# Altium PCB PC104-M7_6L.PcbDoc (part 3 of 3)
Units mm, origin at the board's own origin, x right, y up, seen from the top; angles counter-clockwise.
Board outline 90.17 x 95.89 mm, 6 copper layers (Top Layer, Layer 2 (GND), Layer 3 (PWR), Layer 4 (SIG), Layer 5 (GND), Bottom Layer), stack 1.538 mm thick; 122 components, 127 nets, 614 pads, 384 vias.
Unrouted connection lines stored in the file: 7.
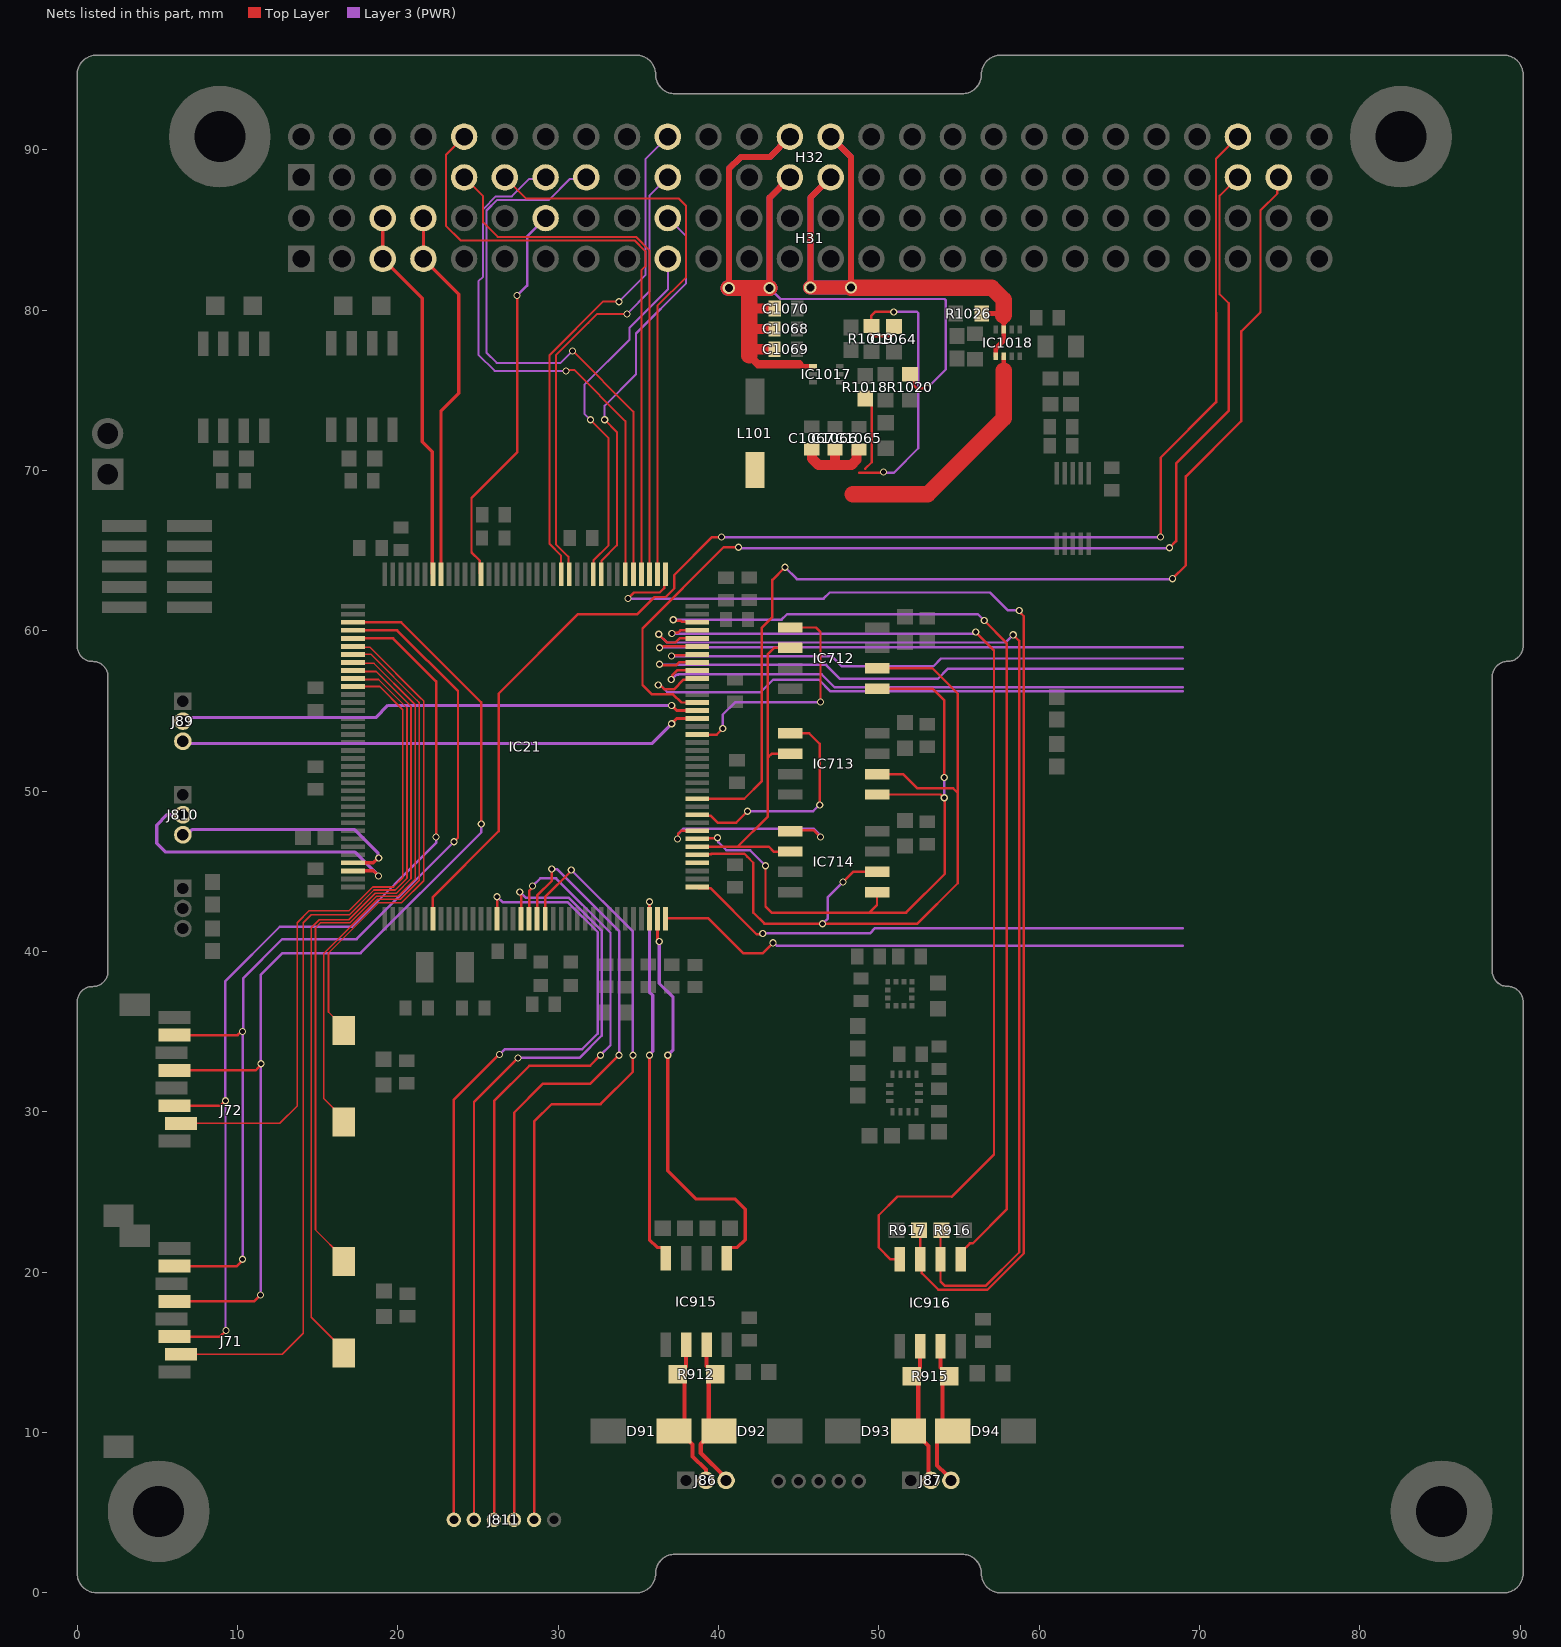
[diagram p6: the nets of this part, all layers, seen from the top]

## Via types
v1: diameter 0.45, hole 0.3, Top Layer to Bottom Layer, tented both sides, 349 vias
v2: diameter 0.762, hole 0.508, Top Layer to Bottom Layer, tented both sides, 35 vias

## Nets (pads, with @x,y where several pads share a name; then routed paths per layer and width w, separated by ;. In a path a pad name is that pad's centre, name@x,y a point inside that pad or via, vN(x,y) a via of type N, cw(c..) or ccw(c..) an arc to the next point about the centre after c; other vN are vias at no path point) (continued)
RS485_1_N: D91.2 IC915.6 J86.2 R912.2 | length 9.8
  Top Layer w0.254: D91.2@37.217,10.084 37.542,10.084 38.379,9.247 38.379,8.509 39.212,7.676 J86.2@39.212,7.01 ; D91.2@37.862,10.164 37.862,13.18 37.449,13.593 37.979,14.123 IC915.6@37.979,15.454
RS485_1_P: D92.2 IC915.7 J86.3 R912.1 | length 10.1
  Top Layer w0.254: IC915.7@39.257,15.446 39.257,14.134 39.799,13.593 39.386,13.18 D92.2@39.386,10.164 ; D92.2@40.031,10.084 39.706,10.084 38.887,9.265 38.887,8.719 40.462,7.145 J86.3@40.462,7.01
RS485_2_DE: IC21.73 IC916.3 R917.1 | length 79.1
  Top Layer w0.152: v1(34.341,62.001) 34.72,62.381 36.332,62.381 36.61,62.659 36.61,63.437 IC21.73@36.684,63.511 ; R917.1@52.506,22.606 52.568,22.544 IC916.3@52.568,20.796 52.67,20.694 52.67,19.937 53.709,18.898 56.769,18.898 59.03,21.158 59.03,60.905 58.878,61.056 58.75,61.184 v1(58.75,61.265)
  Layer 3 (PWR) w0.152: v1(34.341,62.001) 46.548,62.001 46.929,62.382 56.921,62.382 58.039,61.265 v1(58.75,61.265)
RS485_2_N: D93.2 IC916.6 J87.2 R915.2 | length 9.5
  Top Layer w0.254: D93.2@51.84,10.084 52.165,10.084 53.086,9.163 53.086,7.163 J87.2@53.238,7.01 ; D93.2@52.451,10.084 52.451,13.1 R915.2@52.038,13.513 52.568,14.043 IC916.6@52.568,15.374
RS485_2_P: D94.2 IC916.7 J87.3 R915.1 | length 9.7
  Top Layer w0.254: IC916.7@53.846,15.366 53.846,14.054 R915.1@54.388,13.513 53.975,13.1 D94.2@53.975,10.084 ; J87.3@54.488,7.01 54.169,7.329 54.169,7.396 53.625,7.94 53.625,9.436 54.273,10.084 D94.2@54.598,10.084
RS485_2_RE: IC21.68 IC916.2 R916.1 | length 73
  Top Layer w0.152: v1(36.264,59.774) 36.772,59.265 37.315,59.265 37.573,59.523 IC21.68@38.672,59.523 ; R916.1@53.9,22.606 53.838,22.544 IC916.2@53.838,20.796 53.838,19.415 54.114,19.14 56.656,19.14 58.75,21.234 58.75,59.36 v1(58.369,59.741)
  Layer 3 (PWR) w0.152: v1(36.264,59.774) 36.772,59.265 57.894,59.265 v1(58.369,59.741)
RTC_OUT_ALARM: H32.48 IC21.7 | length 88.5
  Top Layer w0.127: 71.03,79.846 71.03,89.451 H32.48@72.39,90.81
  Top Layer w0.152: IC21.7@22.184,42.035 22.184,43.393 26.289,47.498 26.289,56.083 31.242,61.036 34.94,61.036 36.007,62.103 36.703,62.103 37.236,62.636 37.236,63.475 39.599,65.837 v1(40.183,65.837) ; v1(67.564,65.837) 67.564,70.79 71.03,74.256 71.03,79.846
  Layer 3 (PWR) w0.152: v1(40.183,65.837) v1(67.564,65.837)
RTC_OUT_CALIB: H32.49 IC21.48 | length 70.6
  Top Layer w0.127: 73.787,79.857 73.787,86.203 74.839,87.255 74.839,88.179 H32.49@74.93,88.27
  Top Layer w0.152: IC21.48@38.672,49.523 41.598,49.523 42.697,50.622 42.697,60.198 43.358,60.858 43.358,63.17 v1(44.145,63.957) ; v1(68.301,63.246) 69.139,64.084 69.139,69.621 72.593,73.076 72.593,78.663 73.787,79.857
  Layer 3 (PWR) w0.152: v1(44.145,63.957) 44.882,63.221 v1@68.301,63.221
SD1_CD1: IC21.117 J71.CD1 | length 50.1
  Top Layer w0.102: J71.CD1@16.625,14.964 16.625,15.164 14.605,17.184 14.605,41.479 15.098,41.972 16.929,41.972 18.592,43.635 19.911,43.635 20.817,44.541 20.817,55.289 20.743,55.363 18.646,57.46 17.259,57.46 IC21.117@17.196,57.523
SD1_CD2: IC21.116 J71.CD2 | length 44.9
  Top Layer w0.102: J71.CD2@16.625,20.664 16.625,20.864 14.859,22.63 14.859,41.462 15.178,41.781 17.009,41.781 18.671,43.443 20.013,43.443 21.071,44.502 21.071,55.394 20.997,55.468 20.922,55.543 18.505,57.959 17.259,57.959 IC21.116@17.196,58.023
SD2_CD1: IC21.115 J72.CD1 | length 35.3
  Top Layer w0.102: J72.CD1@16.625,29.366 16.625,29.566 15.367,30.824 15.367,39.868 18.751,43.252 20.148,43.252 21.338,44.442 21.338,55.504 21.263,55.579 21.189,55.653 18.319,58.523 IC21.115@17.196,58.523
SD2_CD2: IC21.114 J72.CD2 | length 30.1
  Top Layer w0.102: J72.CD2@16.625,35.066 16.625,35.266 15.674,36.217 15.674,39.904 18.793,43.023 20.214,43.023 21.605,44.414 21.605,55.615 21.53,55.689 21.456,55.763 18.26,58.959 17.259,58.959 IC21.114@17.196,59.023
SEC_PWR: C1064.1 C1065.1 C1066.1 C1067.1 IC1018.6 L101.2 R1018.1 R1019.1 | length 44.4
  Top Layer w0.152: 48.768,69.85 50.241,69.85 v1(50.292,69.901) ; 49.149,70.104 49.548,70.503 49.548,74.085 R1018.1@49.149,74.484 ; C1064.1@50.926,78.973 50.927,78.971 50.927,78.486 50.81,78.369 49.594,78.369 49.505,78.458 49.505,78.982 R1019.1@49.526,79.003 49.526,79.65 49.759,79.883 v1(50.927,79.883)
  Top Layer w0.3: 57.782,76.222 IC1018.6@57.782,77.111
  Top Layer w0.635: C1067.1@45.817,71.309 45.817,70.744 46.236,70.325 47.264,70.325 ; C1066.1@47.253,71.309 47.253,70.337 47.264,70.325 ; C1065.1@48.752,71.309 48.657,71.309 48.599,71.252 48.599,70.654 48.271,70.325 47.264,70.325
  Top Layer w1.016: 48.358,68.504 53.035,68.504 57.782,73.251 57.782,76.222
  Layer 3 (PWR) w0.152: v1(50.292,69.901) 50.343,69.85 50.927,69.85 52.455,71.378 52.455,79.794 52.365,79.883 v1(50.927,79.883)
SPI1_CS1: IC21.56 IC712.1 | length 15.4
  Top Layer w0.152: IC21.56@38.672,53.523 39.883,53.523 v1(40.259,53.899) ; IC712.1@44.457,60.198 46.076,60.198 46.355,59.919 v1(46.355,55.55)
  Layer 3 (PWR) w0.152: v1(40.259,53.899) 40.259,54.762 41.046,55.55 v1(46.355,55.55)
SPI1_CS2: IC21.46 IC713.1 | length 14.2
  Top Layer w0.152: IC21.46@38.672,48.523 38.746,48.449 39.524,48.449 39.942,48.031 41.097,48.031 v1(41.808,48.743) ; IC713.1@44.457,53.594 45.654,53.594 46.304,52.943 v1(46.304,49.124)
  Layer 3 (PWR) w0.152: v1(41.808,48.743) 45.898,48.743 46.279,49.124 v1(46.304,49.124)
SPI1_CS3: IC21.44 IC714.1 | length 13.3
  Top Layer w0.152: v1(37.44,47.015) 37.468,47.044 37.468,47.323 37.668,47.523 IC21.44@38.672,47.523 ; IC714.1@44.457,47.498 44.508,47.549 45.949,47.549 v1(46.355,47.142)
  Layer 3 (PWR) w0.152: v1(37.44,47.015) 37.468,47.044 37.468,47.323 37.807,47.662 45.912,47.662 46.355,47.219 v1(46.355,47.142)
SPI1_CS4: IC21.40
SPI1_MISO: IC21.42 IC712.2 IC713.2 IC714.2 | length 21.8
  Top Layer w0.152: IC21.42@38.672,46.523 41.189,46.523 ; IC714.2@44.457,46.228 43.434,46.228 43.139,46.523 41.189,46.523 ; IC713.2@44.457,52.324 43.307,52.324 43.247,52.264 43.053,52.07 ; IC712.2@44.457,58.928 43.464,58.928 43.053,58.517 43.053,52.07 ; 41.189,46.523 43.053,48.387 43.053,52.07
SPI1_MOSI: IC21.43 IC712.5 IC713.5 IC714.5 | length 41.1
  Top Layer w0.152: IC21.43@38.672,47.023 38.706,47.057 39.895,47.057 v1(39.923,47.086) ; v1(42.926,45.339) 42.926,42.799 43.307,42.418 49.403,42.418 ; IC714.5@49.879,43.688 49.879,42.894 49.403,42.418 ; IC713.5@49.879,49.784 53.839,49.784 54.042,49.581 v1(54.077,49.581) 54.102,49.555 54.102,44.831 51.689,42.418 49.403,42.418 ; IC712.5@49.879,56.388 53.34,56.388 54.077,55.651 v1(54.077,50.851)
  Layer 3 (PWR) w0.152: v1(39.923,47.086) 39.98,47.029 39.98,46.812 40.488,46.304 41.961,46.304 v1(42.926,45.339) ; v1(54.077,49.581) v1(54.077,50.851)
SPI1_SCK: IC21.41 IC712.6 IC713.6 IC714.6 | length 49.5
  Top Layer w0.152: IC21.41@38.672,46.023 38.72,46.071 39.534,46.071 39.558,46.096 41.6,46.096 41.787,45.908 42.164,45.532 42.164,42.418 42.853,41.729 52.397,41.729 54.915,44.247 54.915,49.886 ; v1(47.752,44.323) 48.387,44.958 IC714.6@49.879,44.958 ; IC713.6@49.879,51.054 51.511,51.054 52.4,50.165 54.635,50.165 54.915,49.886 ; IC712.6@49.879,57.658 53.34,57.658 54.915,56.083 54.915,49.886
  Layer 3 (PWR) w0.152: v1(46.482,41.729) 46.812,42.059 46.812,43.383 v1(47.752,44.323)
SPI2_CS1: H32.13 IC21.78 | length 34.4
  Top Layer w0.127: v1(30.48,76.2) 30.542,76.262 30.859,76.262 30.862,76.265 30.989,76.265 34.184,73.071 IC21.78@34.184,63.511
  Layer 3 (PWR) w0.127: H32.13@29.21,88.27 29.119,88.179 28.194,88.179 27.107,87.091 26.415,87.091 26.414,87.09 26.107,87.09 25.31,86.293 25.31,82.079 25.019,81.788 25.019,77.216 26.035,76.2 v1(30.48,76.2)
SPI2_CS2: H32.15 IC21.77 | length 37.4
  Top Layer w0.127: v1(30.895,77.449) 34.684,73.66 IC21.77@34.684,63.511
  Layer 3 (PWR) w0.127: v1(30.895,77.449) 30.154,76.708 26.162,76.708 25.527,77.343 25.527,78.613 25.527,86.203 26.197,86.873 29.428,86.873 30.734,88.179 31.659,88.179 H32.15@31.75,88.27
SPI2_MISO: H32.9 IC21.75 | length 34.6
  Top Layer w0.127: H32.9@24.13,88.27 25.318,87.082 25.318,85.466 26.228,84.557 34.846,84.557 35.684,83.719 IC21.75@35.684,63.511
SPI2_MOSI: H32.10 IC21.76 | length 39.4
  Top Layer w0.127: H32.10@24.13,90.81 22.987,89.668 22.987,85.257 23.912,84.333 34.763,84.333 35.432,83.663 35.432,82.717 35.184,82.468 IC21.76@35.184,63.511
SPI2_SCK: H32.11 IC21.74 | length 35.8
  Top Layer w0.127: H32.11@26.67,88.27 27.977,86.963 37.497,86.963 37.972,86.488 37.972,82.041 36.184,80.253 IC21.74@36.184,63.511
SPI3_CS1: IC21.118 J71.P2 | length 56.1
  Top Layer w0.102: J71.P2@6.475,14.874 12.779,14.874 14.097,16.193 14.097,41.783 14.605,42.291 16.977,42.291 18.513,43.827 19.826,43.827 20.563,44.563 20.563,55.183 18.787,56.959 17.259,56.959 IC21.118@17.196,57.023
SPI3_CS2: IC21.119 J72.P2 | length 41.1
  Top Layer w0.102: J72.P2@6.475,29.276 12.639,29.276 13.716,30.353 13.716,41.783 14.478,42.545 16.96,42.545 18.433,44.018 19.726,44.018 20.309,44.601 20.309,55.078 18.864,56.523 IC21.119@17.196,56.523
SPI3_MISO: IC21.112 J71.P7 J72.P7 | length 60.6
  Top Layer w0.152: J71.P7@6.075,20.374 9.965,20.374 10.312,20.722 v1(10.312,20.803) ; J72.P7@6.075,34.776 10.007,34.776 10.232,35.001 v1(10.312,35.001) ; IC21.112@17.196,60.023 19.954,60.023 23.749,56.228 23.749,47.091 v1(23.495,46.837)
  Layer 3 (PWR) w0.152: v1(10.312,20.803) v1(10.312,35.001) 10.345,35.034 10.345,38.316 12.791,40.762 17.42,40.762 v1(23.495,46.837)
SPI3_MOSI: IC21.113 J71.P3 J72.P3 | length 61.5
  Top Layer w0.152: J71.P3@6.075,15.974 8.905,15.974 9.271,16.341 v1(9.271,16.358) ; J72.P3@6.075,30.376 8.911,30.376 9.218,30.683 v1(9.246,30.683) ; IC21.113@17.196,59.523 19.7,59.523 22.381,56.842 v1(22.381,47.141)
  Layer 3 (PWR) w0.152: v1(9.271,16.358) 9.249,16.379 9.249,30.68 v1(9.246,30.683) 9.246,38.151 12.631,41.536 17.152,41.536 22.381,46.765 v1(22.381,47.141)
SPI3_SCK: IC21.111 J71.P5 J72.P5 | length 66.7
  Top Layer w0.152: J71.P5@6.075,18.174 11.037,18.174 v1(11.43,18.567) ; J72.P5@6.075,32.576 11.125,32.576 11.232,32.684 11.232,32.691 11.455,32.914 v1(11.455,32.995) ; IC21.111@17.196,60.523 20.208,60.523 25.198,55.533 v1(25.198,47.945)
  Layer 3 (PWR) w0.152: v1(11.43,18.567) 11.455,18.593 11.455,38.557 12.794,39.895 17.67,39.895 25.198,47.423 v1(25.198,47.945)
SPI4_CS1: IC21.64 | length 34.4
  Top Layer w0.152: v1(37.041,56.956) 37.098,57.012 37.098,57.206 37.415,57.523 IC21.64@38.672,57.523
  Layer 3 (PWR) w0.152: v1(37.041,56.956) 37.061,56.956 37.372,57.266 37.48,57.266 37.487,57.273 46.435,57.273 47.244,56.464 68.961,56.464
SPI4_CS2: IC21.63 | length 36.4
  Top Layer w0.152: v1(36.237,56.611) 36.317,56.611 36.424,56.504 36.467,56.504 36.626,56.344 37.215,56.344 37.82,56.949 38.598,56.949 IC21.63@38.672,57.023
  Layer 3 (PWR) w0.152: v1(36.237,56.611) 36.317,56.611 36.424,56.504 36.467,56.504 36.808,56.163 42.613,56.163 43.393,56.943 46.257,56.943 46.99,56.21 68.961,56.21
SPI4_MISO: IC21.66 | length 34
  Top Layer w0.152: v1(37.057,58.42) 37.104,58.467 38.616,58.467 IC21.66@38.672,58.523
  Layer 3 (PWR) w0.152: v1(37.057,58.42) 47.041,58.42 47.676,57.785 53.391,57.785 53.873,58.268 68.961,58.268
SPI4_MOSI: IC21.67 | length 35.1
  Top Layer w0.152: v1(36.313,58.934) 36.37,58.991 36.519,58.991 36.551,59.023 IC21.67@38.672,59.023
  Layer 3 (PWR) w0.152: v1(36.313,58.934) 36.354,58.975 68.961,58.975
SPI4_SCK: IC21.65 | length 35.7
  Top Layer w0.152: v1(36.322,57.912) 36.389,57.912 36.461,57.839 37.348,57.839 37.531,58.023 IC21.65@38.672,58.023
  Layer 3 (PWR) w0.152: v1(36.322,57.912) 36.369,57.865 46.707,57.865 47.574,56.998 53.67,56.998 54.305,57.633 68.961,57.633
SPI5_CS1: IC21.15 J811.1 | length 51.7
  Top Layer w0.152: J811.1@23.495,4.572 23.495,30.759 26.314,33.579 v1(26.34,33.579) ; IC21.15@26.184,42.035 26.186,42.037 26.186,43.407 v1(26.187,43.409)
  Layer 3 (PWR) w0.152: v1(26.187,43.409) 26.543,43.053 30.607,43.053 32.461,41.199 32.461,34.874 31.496,33.909 26.67,33.909 v1(26.34,33.579)
SPI5_CS2: IC21.18 J811.2 | length 50.1
  Top Layer w0.152: J811.2@24.745,4.572 24.745,30.616 v1(27.483,33.354) ; v1(27.603,43.707) 27.66,43.65 27.66,43.481 27.684,43.457 IC21.18@27.684,42.035
  Layer 3 (PWR) w0.152: v1(27.483,33.354) 31.322,33.354 32.704,34.736 32.704,41.299 30.67,43.332 27.978,43.332 v1@27.604,43.707
SPI5_MISO: IC21.20 J811.4 | length 50.4
  Top Layer w0.152: J811.4@27.245,4.572 27.245,29.937 29.058,31.75 32.004,31.75 v1(33.782,33.528) ; IC21.20@28.684,42.035 28.684,43.492 29.591,44.399 v1(29.591,45.132)
  Layer 3 (PWR) w0.152: v1(29.591,45.132) 29.592,45.131 29.926,45.131 33.814,41.243 33.814,33.56 v1(33.782,33.528)
SPI5_MOSI: IC21.21 J811.5 | length 50.2
  Top Layer w0.152: J811.5@28.495,4.547 28.495,29.384 29.591,30.48 32.639,30.48 34.657,32.498 v1(34.657,33.528) ; IC21.21@29.184,42.035 29.184,43.382 30.81,45.009 v1(30.81,45.085)
  Layer 3 (PWR) w0.152: v1(30.81,45.085) 34.657,41.238 v1(34.657,33.528)
SPI5_SCK: IC21.19 J811.3 | length 50.4
  Top Layer w0.152: J811.3@25.995,4.572 25.995,30.669 28.198,32.871 31.982,32.871 v1(32.639,33.528) ; IC21.19@28.184,42.035 28.184,43.775 28.399,43.99 v1(28.399,44.071)
  Layer 3 (PWR) w0.152: v1(28.399,44.071) 28.88,44.552 29.87,44.552 33.259,41.163 33.259,34.148 v1(32.639,33.528)
TIM1_CH1: H32.47 IC21.60 | length 67.7
  Top Layer w0.127: 71.806,80.416 71.247,80.975 71.247,87.128 H32.47@72.39,88.27
  Top Layer w0.152: IC21.60@38.672,55.523 37.676,55.523 37.166,56.032 35.839,56.032 35.255,56.617 35.255,60.147 40.31,65.202 v1(41.25,65.202) ; v1(68.123,65.176) 68.529,65.583 68.529,70.434 71.806,73.711 71.806,80.416
  Layer 3 (PWR) w0.152: v1(41.25,65.202) 41.3,65.151 v1@68.123,65.151
TIM4_CH1: H31.20 IC21.81 | length 25.5
  Top Layer w0.127: IC21.81@32.684,63.511 32.699,63.526 32.699,64.365 33.655,65.321 33.655,72.39 v1(32.893,73.152)
  Layer 3 (PWR) w0.127: v1(32.893,73.152) 32.893,74.041 34.849,75.997 34.849,78.537 37.972,81.66 37.972,84.588 H31.20@36.83,85.73
TIM4_CH2: H31.19 IC21.82 | length 22.9
  Top Layer w0.127: v1(32.004,73.152) 33.147,72.009 33.147,65.341 32.184,64.378 IC21.82@32.184,63.511
  Layer 3 (PWR) w0.127: v1(32.004,73.152) 31.623,73.533 31.623,75.336 34.442,78.156 34.442,78.892 36.83,81.28 H31.19@36.83,83.19
TIM4_CH3: H32.19 IC21.85 | length 29.1
  Top Layer w0.127: IC21.85@30.684,63.511 30.627,63.568 30.627,64.619 29.845,65.401 29.845,77.166 31.877,79.198 32.435,79.756 v1(34.29,79.756)
  Layer 3 (PWR) w0.127: v1(34.29,79.756) 35.687,81.153 35.687,87.128 H32.19@36.83,88.27
TIM4_CH4: H32.20 IC21.86 | length 31.2
  Top Layer w0.127: IC21.86@30.184,63.511 30.184,64.685 29.464,65.405 29.464,77.194 32.788,80.518 v1(33.782,80.518)
  Layer 3 (PWR) w0.127: v1(33.782,80.518) 35.432,82.168 35.432,89.413 H32.20@36.83,90.81
TIM8_CH1: H31.14 IC21.96 | length 24.4
  Top Layer w0.127: 24.593,64.881 24.593,68.281
  Top Layer w0.152: 24.593,64.881 25.11,64.364 25.11,63.585 IC21.96@25.184,63.511 ; 24.593,68.281 27.432,71.12 v1(27.432,80.899)
  Layer 3 (PWR) w0.152: v1(27.432,80.899) 28.055,81.522 28.055,84.575 H31.14@29.21,85.73
UART1_RX: H31.5 H31.6 IC21.102 | length 23.5
  Top Layer w0.203: H31.6@19.05,85.73 H31.5@19.05,83.19 21.514,80.726 21.514,71.78 22.135,71.159 22.135,63.559 IC21.102@22.184,63.511
UART1_TX: H31.7 H31.8 IC21.101 | length 23.6
  Top Layer w0.203: H31.8@21.59,85.73 H31.7@21.59,83.19 23.8,80.98 23.8,74.803 22.684,73.687 IC21.101@22.684,63.511
UART2_RX: IC21.37 | length 31.7
  Top Layer w0.152: IC21.37@38.672,44.023 38.746,43.949 39.489,43.949 42.373,41.066 42.691,41.066 v1(42.748,41.123)
  Layer 3 (PWR) w0.152: v1(42.748,41.123) 49.431,41.123 49.757,41.449 68.961,41.449
UART2_TX: IC21.36 | length 33.5
  Top Layer w0.152: IC21.36@36.684,42.035 36.705,42.035 36.732,42.062 39.37,42.062 41.554,39.878 42.74,39.878 v1(43.394,40.533)
  Layer 3 (PWR) w0.152: v1(43.394,40.533) 43.439,40.533 43.632,40.339 68.961,40.339
UART3_RX: IC21.70 IC916.1 | length 63
  Top Layer w0.152: v1(37.175,60.685) 37.232,60.628 37.628,60.628 37.705,60.551 38.644,60.551 IC21.70@38.672,60.523 ; IC916.1@55.108,20.796 55.108,21.235 55.667,21.793 55.853,21.793 57.963,23.903 57.963,59.233 v1(56.566,60.63)
  Layer 3 (PWR) w0.152: v1(37.175,60.685) 37.186,60.696 43.932,60.696 44.265,61.029 56.167,61.029 v1(56.566,60.63)
UART3_TX: IC21.69 IC916.4 | length 66.1
  Top Layer w0.152: v1(37.084,59.821) 37.14,59.876 37.467,59.876 37.614,60.023 IC21.69@38.672,60.023 ; IC916.4@51.298,20.796 50.731,20.796 49.987,21.539 49.987,23.546 51.156,24.715 54.534,24.715 ; 54.553,24.708 57.175,27.33 57.175,58.776 v1(56.032,59.919)
  Layer 3 (PWR) w0.152: v1(37.084,59.821) 55.854,59.821 55.952,59.919 v1(56.032,59.919)
UART4_RX: IC21.35 IC915.1 | length 25.9
  Top Layer w0.203: IC21.35@36.184,42.035 36.184,40.794 36.297,40.681 v1(36.297,40.615) ; v1(36.83,33.528) 36.83,26.314 38.583,24.562 41.021,24.562 41.656,23.927 41.656,22.022 41.172,21.538 40.743,21.538 40.519,21.315 IC915.1@40.519,20.876
  Layer 3 (PWR) w0.203: v1(36.297,40.615) 36.297,37.998 37.16,37.135 37.16,33.858 v1(36.83,33.528)
UART4_TX: IC21.34 IC915.4 | length 24.1
  Top Layer w0.203: IC21.34@35.684,42.035 v1(35.684,43.1) ; v1(35.687,33.528) 35.687,22.022 36.171,21.538 36.486,21.538 36.709,21.315 IC915.4@36.709,20.876
  Layer 3 (PWR) w0.203: v1(35.684,43.1) 35.687,43.096 35.687,37.465 35.89,37.262 35.89,33.77 35.687,33.567 v1(35.687,33.528)
UART7_RX: IC21.58 J89.3 | length 32.8
  Top Layer w0.203: v1(37.072,54.199) 37.396,54.523 IC21.58@38.672,54.523
  Layer 3 (PWR) w0.203: J89.3@6.585,53.106 6.732,52.959 35.832,52.959 v1(37.072,54.199)
UART7_TX: IC21.59 J89.2 | length 32.6
  Top Layer w0.203: v1(37.072,55.342) 37.391,55.023 IC21.59@38.672,55.023
  Layer 3 (PWR) w0.203: J89.2@6.585,54.356 6.756,54.528 7.095,54.528 7.152,54.585 18.618,54.585 19.376,55.342 v1(37.072,55.342)
UART8_RX: IC21.141 J810.3 | length 15
  Top Layer w0.203: IC21.141@17.196,45.523 18.472,45.523 18.771,45.822 v1(18.8,45.822)
  Layer 3 (PWR) w0.203: J810.3@6.585,47.273 6.825,47.273 7.152,47.6 17.297,47.6 18.752,46.145 18.752,46.045 ; 18.752,46.044 18.752,45.87 v1(18.8,45.822)
UART8_TX: IC21.142 J810.2 | length 19.5
  Top Layer w0.203: IC21.142@17.196,45.023 18.477,45.023 v1(18.796,44.704)
  Layer 3 (PWR) w0.203: J810.2@6.585,48.523 5.597,48.523 4.953,47.879 4.953,46.736 5.486,46.203 17.297,46.203 v1(18.796,44.704)
VIN_3V3: H32.27 H32.28 IC1018.3 IC1018.5 R1026.1 | length 54.4
  Top Layer w0.254: 57.744,79.781 57.782,79.743
  Top Layer w0.3: R1026.1@56.401,79.781 57.744,79.781 ; IC1018.5@57.282,77.111 57.282,77.599 57.782,78.099 IC1018.3@57.782,78.787 57.782,79.316
  Top Layer w0.381: v2(45.72,81.397) 45.72,87.001 H32.27@46.99,88.27 ; H32.28@46.99,90.81 48.259,89.541 v2(48.259,81.397)
  Top Layer w0.508: 57.782,79.316 57.788,79.322
  Top Layer w0.889: v2(45.72,81.397) v2(48.259,81.397)
  Top Layer w1.016: v2(48.259,81.397) 57.033,81.397 57.788,80.642 57.788,79.681 57.759,79.652
  Layer 3 (PWR) w0.381: v2(45.72,81.397) 45.72,87.001 H32.27@46.99,88.27 ; H32.28@46.99,90.81 48.259,89.541 v2(48.259,81.397)
  Layer 3 (PWR) w0.889: v2(45.72,81.397) v2(48.259,81.397)
VIN_5V: C1068.1 C1069.1 C1070.1 H32.25 H32.26 IC1017.1 R1020.1 | length 76.4
  Top Layer w0.152: R1020.1@51.943,75.984 52.197,75.73 52.197,75.273 52.337,75.133 v1(53.01,75.133)
  Top Layer w0.279: 45.052,76.614 45.166,76.5 45.17,76.496 IC1017.1@45.888,76.496
  Top Layer w0.381: v2(40.639,81.376) 40.639,88.795 41.385,89.541 43.18,89.541 H32.26@44.45,90.81 ; v2(43.18,81.376) 43.18,87.001 H32.25@44.45,88.27
  Top Layer w0.508: 41.909,77.159 42.454,76.614 45.052,76.614
  Top Layer w0.635: 41.909,77.159 42.302,77.553 C1069.1@43.49,77.553 ; 41.909,78.823 C1068.1@43.49,78.823 ; 41.909,80.093 C1070.1@43.49,80.093
  Top Layer w1.016: v2(40.639,81.376) 41.909,81.376 ; 41.909,77.159 41.909,78.823 41.909,80.093 41.909,81.376 ; v2(43.18,81.376) 41.909,81.376
  Layer 3 (PWR) w0.152: v2(43.18,81.376) 43.871,80.685 54.089,80.685 54.178,80.596 54.178,76.302 v1(53.01,75.133)
  Layer 3 (PWR) w0.381: v2(40.639,81.376) 40.639,88.795 41.385,89.541 43.18,89.541 H32.26@44.45,90.81 ; v2(43.18,81.376) 43.18,87.001 H32.25@44.45,88.27
  Layer 3 (PWR) w1.016: v2(40.639,81.376) v2(43.18,81.376)
VTEMP: 
pads on no net: H31.2 H31.4 H31.9 H31.10 H31.12 H31.21 H31.22 H31.23 H31.24 H31.25 H31.26 H31.27 H31.28 H31.29 H31.30 H31.31 H31.32 H31.35 H31.36 H31.37 H31.38 H31.39 H31.40 H31.42 H31.44 H31.45 H31.46 H31.47 H31.48 H31.49 H31.50 H31.51 H31.52 H32.2 H32.4 H32.5 H32.6 H32.7 H32.8 H32.12 H32.14 H32.16 H32.21 H32.22 H32.23 H32.24 H32.33 H32.34 H32.35 H32.36 H32.37 H32.38 H32.39 H32.40 H32.41 H32.42 H32.43 H32.44 H32.45 H32.46 H32.50 H32.51 H32.52 IC21.1 IC21.2 IC21.3 IC21.4 IC21.5 IC21.6 IC21.13 IC21.14 IC21.22 IC21.79 IC21.99 IC21.122 IC21.123 IC21.124 IC21.125 IC21.126 IC21.127 IC21.132 IC21.137 IC42.2 IC42.11 IC42.12 IC43.10 IC43.11 IC712.3 IC713.3 IC714.3 IC1019.3 J71.P1 J71.P8 J72.P1 J72.P8 J84.4 Y21.1

## Polygon pours and split planes (outlines as drawn)
GND on Top Layer "NONET_L-01_P-001" (solid, pour order 30): 43.131,14.427 43.131,13.157 44.452,13.157 44.452,14.427
GND on Top Layer "NONET_L-01_P-001" (solid, remove dead copper, pour order 5): 57.705,14.351 57.705,13.081 59.051,13.081 59.051,14.351
3V3 on Top Layer "NONET_L-01_P-001" (solid, remove dead copper, pour order 36): 0,1.2 0,36.85 cw(c0.96,36.85) 0.96,37.81 ccw(c0.96,38.77) 1.92,38.77 1.92,57.12 ccw(c0.96,57.12) 0.96,58.08 cw(c0.96,59.04) 0,59.04 0,67.488 90.17,67.488 90.17,59.045 cw(c89.21,59.045) 89.21,58.085 ccw(c89.21,57.125) 88.25,57.125 88.25,38.775 ccw(c89.21,38.775) 89.21,37.815 cw(c89.21,36.855) 90.17,36.855 90.17,1.2 cw(c88.97,1.2) 88.97,0 57.59,0 cw(c57.59,1.2) 56.39,1.2 ccw(c55.19,1.2) 55.19,2.4 37.27,2.4 ccw(c37.27,1.2) 36.07,1.2 cw(c34.87,1.2) 34.87,0 1.2,0 cw(c1.2,1.2)
GND on Top Layer "NONET_L-01_P-001" (solid, pour order 34): 30.616,9.017 30.616,11.151 33.217,11.151 33.217,9.017
GND on Top Layer "NONET_L-01_P-001" (solid, pour order 33): 43.917,9.017 43.917,11.151 47.705,11.151 47.705,9.017
GND on Top Layer "NONET_L-01_P-001" (solid, pour order 32): 61.4,11.151 61.4,9.017 58.798,9.017 58.798,11.151
3V3 on Top Layer "NONET_L-01_P-001" (solid, pour order 6): 54.721,15.658 57.109,15.658 57.109,14.601 56.677,14.601 56.677,13.691 55.204,13.691 55.204,14.449 54.721,14.449 54.721,14.5
NetC1072_1 on Top Layer "NONET_L-01_P-001" (solid, pour order 17): 58.166,78.461 59.207,78.461 59.447,78.7 60.528,78.7 60.528,77.013 59.233,77.013 59.233,77.318 59.08,77.47 58.166,77.47
GND on Top Layer "NONET_L-01_P-001" (solid, pour order 9): 46.182,75.646 45.547,75.646 45.339,75.438 45.339,73.279 48.006,73.279 48.26,73.533 48.26,75.057 47.498,75.057 47.244,75.311 47.244,80.264 46.863,80.645 45.847,80.645 45.466,80.264 45.466,77.089 45.72,76.835 46.376,76.835 46.376,75.84
NetIC1017_2 on Top Layer "NONET_L-01_P-001" (solid, pour order 8): 42.264,75.735 42.675,76.146 46.126,76.146 46.126,75.846 45.315,75.846 44.914,75.11 44.914,75.278 44.914,73.743 44.298,73.127 42.622,73.127 42.264,73.485
SEC_PWR on Top Layer "NONET_L-01_P-001" (solid, pour order 7): 42.264,71.135 42.264,68.885 43.153,67.996 48.895,67.996 49.428,68.529 49.428,70.561 45.052,70.561 44.239,71.374 42.504,71.374
GND on Top Layer "NONET_L-01_P-001" (solid, pour order 20): 26.924,35.433 26.924,39.37 28.194,39.37 28.194,40.64 29.845,40.64 29.845,43.18 30.988,43.18 30.988,40.64 32.131,40.64 32.131,35.433
GND on Top Layer "NONET_L-01_P-001" (solid, remove dead copper, pour order 19): 19.177,35.204 19.177,39.319 20.423,40.565 22.441,40.565 22.441,43.105 23.381,43.105 23.381,40.565 25.654,40.565 25.654,38.989 26.543,38.989 26.543,35.204
GND on Top Layer "NONET_L-01_P-001" (solid, remove dead copper, pour order 28): 55.855,17.058 57.125,17.058 57.125,18.379 55.855,18.379
GND on Top Layer "NONET_L-01_P-001" (solid, pour order 29): 41.256,17.159 42.526,17.159 42.526,18.469 41.256,18.469
GND on Top Layer "NONET_L-01_P-001" (solid, pour order 27): 51.444,16.049 51.444,14.347 49.209,14.347 49.209,16.049
GND on Top Layer "NONET_L-01_P-001" (solid, pour order 26): 36.855,16.129 36.855,14.427 34.62,14.427 34.62,16.129
3V3 on Top Layer "NONET_L-01_P-001" (solid, pour order 25): 40.132,15.759 42.52,15.759 42.52,14.681 42.088,14.681 42.088,13.767 40.615,13.767 40.615,14.529 40.132,14.529 40.132,14.58
3V3 on Top Layer "NONET_L-01_P-001" (solid, remove dead copper, pour order 18): 62.003,77.697 64.262,75.438 68.021,75.438 68.021,80.01 64.262,80.01 62.003,77.751
3V3 on Top Layer "NONET_L-01_P-001" (solid, pour order 24): 36.906,39.878 36.906,41.11 39.065,41.11 39.065,39.878
GND on Top Layer "NONET_L-01_P-001" (solid, pour order 23): 39.751,37.135 39.751,35.89 37.719,35.89 37.719,37.135
3V3 on Layer 3 (PWR) "NONET_L-01_P-001" (solid, remove dead copper, pour order 31): 0,1.2 0,36.85 cw(c0.96,36.85) 0.96,37.81 ccw(c0.96,38.77) 1.92,38.77 1.92,57.12 ccw(c0.96,57.12) 0.96,58.08 cw(c0.96,59.04) 0,59.04 0,94.69 cw(c1.2,94.69) 1.2,95.89 34.87,95.89 cw(c34.87,94.69) 36.07,94.69 ccw(c37.27,94.69) 37.27,93.49 55.19,93.49 ccw(c55.19,94.69) 56.39,94.69 cw(c57.59,94.69) 57.59,95.89 88.97,95.89 cw(c88.97,94.69) 90.17,94.69 90.17,59.045 cw(c89.21,59.045) 89.21,58.085 ccw(c89.21,57.125) 88.25,57.125 88.25,38.775 ccw(c89.21,38.775) 89.21,37.815 cw(c89.21,36.855) 90.17,36.855 90.17,1.2 cw(c88.97,1.2) 88.97,0 57.59,0 cw(c57.59,1.2) 56.39,1.2 ccw(c55.19,1.2) 55.19,2.4 37.27,2.4 ccw(c37.27,1.2) 36.07,1.2 cw(c34.87,1.2) 34.87,0 1.2,0 cw(c1.2,1.2)
GND on Layer 2 (GND) (split plane): 292 vertices, not listed, extent 0.509,0.509 89.661,95.381
GND on Layer 2 (GND) (split plane): 23.277,40.565 23.285,40.525 23.307,40.492 23.341,40.469 23.381,40.461 25.55,40.461 25.55,38.989 25.558,38.949 25.581,38.916 25.614,38.893 25.654,38.885 26.439,38.885 26.439,35.283 19.281,35.283 19.281,39.327 20.415,40.461 22.441,40.461 22.48,40.469 22.514,40.492 22.536,40.525 22.544,40.565 22.544,43.001 23.277,43.001
GND on Layer 2 (GND) (split plane): 30.884,40.64 30.892,40.6 30.915,40.567 30.948,40.544 30.988,40.536 32.027,40.536 32.027,35.537 27.028,35.537 27.028,39.266 28.194,39.266 28.234,39.274 28.267,39.297 28.29,39.33 28.298,39.37 28.298,40.536 29.845,40.536 29.885,40.544 29.918,40.567 29.941,40.6 29.949,40.64 29.949,43.076 30.884,43.076
GND on Layer 2 (GND) (split plane): 47.687,83.058 47.693,82.996 47.711,82.936 47.741,82.881 47.78,82.832 48.796,81.816 48.845,81.777 48.9,81.747 48.96,81.729 49.022,81.723 57.526,81.723 59.21,80.038 59.259,79.999 59.314,79.969 59.374,79.951 59.436,79.945 67.94,79.945 68.007,79.878 68.007,75.57 67.94,75.503 64.648,75.503 63.218,76.934 63.169,76.973 63.114,77.003 63.054,77.021 62.992,77.027 60.452,77.027 60.39,77.021 60.33,77.003 60.275,76.973 60.226,76.934 58.702,75.41 58.663,75.361 58.633,75.306 58.615,75.246 58.609,75.184 58.609,72.776 53.716,67.883 40.264,67.883 38.927,69.22 38.927,91.629 47.687,91.629
GND on Layer 5 (GND) (split plane): 292 vertices, not listed, extent 0.509,0.509 89.661,95.381
GND on Layer 5 (GND) (split plane): 23.277,40.565 23.285,40.525 23.307,40.492 23.341,40.469 23.381,40.461 25.55,40.461 25.55,38.989 25.558,38.949 25.581,38.916 25.614,38.893 25.654,38.885 26.439,38.885 26.439,35.283 19.281,35.283 19.281,39.2 20.542,40.461 22.441,40.461 22.48,40.469 22.514,40.492 22.536,40.525 22.544,40.565 22.544,43.001 23.277,43.001
GND on Layer 5 (GND) (split plane): 30.884,40.64 30.892,40.6 30.915,40.567 30.948,40.544 30.988,40.536 32.027,40.536 32.027,35.537 27.028,35.537 27.028,39.266 28.194,39.266 28.234,39.274 28.267,39.297 28.29,39.33 28.298,39.37 28.298,40.536 29.845,40.536 29.885,40.544 29.918,40.567 29.941,40.6 29.949,40.64 29.949,43.076 30.884,43.076
GND on Layer 5 (GND) (split plane): 47.687,83.058 47.693,82.996 47.711,82.936 47.741,82.881 47.78,82.832 48.796,81.816 48.845,81.777 48.9,81.747 48.96,81.729 49.022,81.723 57.526,81.723 59.21,80.038 59.259,79.999 59.314,79.969 59.374,79.951 59.436,79.945 67.94,79.945 68.007,79.878 68.007,75.57 67.94,75.503 64.648,75.503 63.218,76.934 63.169,76.973 63.114,77.003 63.054,77.021 62.992,77.027 60.452,77.027 60.39,77.021 60.33,77.003 60.275,76.973 60.226,76.934 58.702,75.41 58.663,75.361 58.633,75.306 58.615,75.246 58.609,75.184 58.609,72.776 53.716,67.883 40.264,67.883 38.927,69.22 38.927,91.629 47.687,91.629

## Other copper
Layer 3 (PWR):
  pour cut-out: 40.132,67.564 38.608,69.088 38.608,92.456 48.285,92.456 48.285,82.779 49.022,82.042 57.658,82.042 59.436,80.264 62.23,80.264 62.23,76.708 60.452,76.708 58.928,75.184 58.928,72.644 53.848,67.564
Layer 2 (GND) (plane layer: these items are gaps in the copper):
  lines w0.203: 19.177,35.179 26.543,35.179 26.543,38.989 25.654,38.989 25.654,40.565 23.381,40.565 23.381,43.105 23.146,43.105 22.676,43.105 22.441,43.105 22.441,40.565 20.372,40.565 19.177,39.37 19.177,35.179 ; 26.924,35.433 26.924,39.37 28.194,39.37 28.194,40.64 29.845,40.64 29.845,43.18 30.988,43.18 30.988,40.64 32.131,40.64 32.131,35.433 26.924,35.433
  lines w0.635: 38.608,69.088 40.132,67.564 53.848,67.564 58.928,72.644 58.928,75.184 60.452,76.708 62.992,76.708 64.516,75.184 68.072,75.184 68.326,75.438 68.326,80.01 68.072,80.264 63.754,80.264 59.436,80.264 57.658,82.042 49.022,82.042 48.006,83.058 48.006,91.948 38.608,91.948 38.608,69.088
Layer 5 (GND) (plane layer: these items are gaps in the copper):
  lines w0.203: 19.177,35.179 26.543,35.179 26.543,38.989 25.654,38.989 25.654,40.565 23.381,40.565 23.381,43.105 23.146,43.105 22.676,43.105 22.441,43.105 22.441,40.565 20.499,40.565 19.177,39.243 19.177,35.179 ; 26.924,35.433 32.131,35.433 32.131,40.64 30.988,40.64 30.988,43.18 29.845,43.18 29.845,40.64 28.194,40.64 28.194,39.37 26.924,39.37 26.924,35.433
  lines w0.635: 38.608,69.088 40.132,67.564 53.848,67.564 58.928,72.644 58.928,75.184 60.452,76.708 62.992,76.708 64.516,75.184 68.072,75.184 68.326,75.438 68.326,80.01 68.072,80.264 63.754,80.264 59.436,80.264 57.658,82.042 49.022,82.042 48.006,83.058 48.006,91.948 38.608,91.948 38.608,69.088

## Silkscreen, mask and mechanical layers (free items; w line width, h text height)
Top Overlay:
  lines w0.152: 12.7,39.175 12.7,41.6 ; 12.7,40.15 11.825,39.275 9.2,39.275 ; 38.55,75.8 39.025,76.275 45.325,76.275 ; 39.875,39.825 39.325,39.825 ; 42.075,80.5 42.4,80.825 42.825,80.825 ; 42.55,60.725 42.7,60.725 43.975,62 43.975,62.275 ; 47.55,76.875 47.55,79.7 51.669,79.7 51.7,79.7 51.7,76.825 ; 47.675,29.05 48.125,29.05 50.175,30 ; 48.375,76.65 48.375,73.7 52.6,73.7 52.65,73.7 52.725,73.7 52.725,76.65 ; 51.175,70.45 54.975,70.45 ; 51.7,78.263 52.338,78.263 53.5,77.1 53.5,71.45 53.5,70.825 56.95,70.825 56.95,70.15 ; 52.148,70.477 52.148,73.7 ; 52.175,70.45 52.6,70.45 ; 52.789,38.529 55.039,40.45 55.375,40.45 ; 54.35,61.4 54.175,61.575 53.775,61.575 ; 54.375,48.675 54.175,48.875 54.15,48.875 53.812,48.875 ; 54.375,54.725 54.107,54.993 53.812,54.993 ; 55.55,70.15 59.325,70.15 ; 62.316,78.7 62.316,79.146 63.45,79.925 ; 62.675,76.45 62.95,76.45 64.2,75.2 65.6,75.2 ; 9.2,39.275 9.2,45.075 7.725,45.075 7.725,39.275 9.2,39.275 ; 39.325,39.825 39.325,37.025 32.2,37.025 32.2,39.825 39.325,39.825 ; 42.825,80.825 45.55,80.825 45.55,76.85 42.825,76.85 42.825,80.825 ; 53.775,61.575 50.875,61.575 50.875,58.55 53.775,58.55 53.775,61.575 ; 53.812,48.875 50.875,48.875 50.875,45.725 53.812,45.725 53.812,48.875 ; 53.812,54.993 53.812,51.9 50.875,51.9 50.875,54.993 53.812,54.993 ; 59.975,73.45 62.825,73.45 62.825,76.45 59.975,76.45 59.975,73.45
  text "H2" at 1.499,89.129 h1.52
  text "H1" at 1.499,84.049 h1.52
  text "GND" at 8.027,55.177 h1.02
  text "TX" at 8.027,53.802 h1.02
  text "RX" at 8.027,52.477 h1.02
  text "GND" at 8.027,49.344 h1.02
  text "TX" at 8.027,47.969 h1.02
  text "RX" at 8.027,46.644 h1.02
  text "GND" at 9.527,43.499 h1.02
  text "SCL" at 9.527,42.124 h1.02
  text "SDA" at 9.527,40.799 h1.02
Mechanical 1:
  lines w0.203: 19.177,35.179 26.543,35.179 26.543,38.989 25.654,38.989 25.654,40.565 23.381,40.565 23.381,43.105 23.146,43.105 22.676,43.105 22.441,43.105 22.441,40.565 20.499,40.565 19.177,39.243 19.177,35.179 ; 26.924,35.433 32.131,35.433 32.131,40.64 30.988,40.64 30.988,43.18 29.845,43.18 29.845,40.64 28.194,40.64 28.194,39.37 26.924,39.37 26.924,35.433
  lines w0.254: 0,1.2 ccw(c1.2,1.2) 1.2,0 34.87,0 ccw(c34.87,1.2) 36.07,1.2 cw(c37.27,1.2) 37.27,2.4 55.19,2.4 cw(c55.19,1.2) 56.39,1.2 ccw(c57.59,1.2) 57.59,0 88.97,0 ccw(c88.97,1.2) 90.17,1.2 90.17,36.855 ccw(c89.21,36.855) 89.21,37.815 cw(c89.21,38.775) 88.25,38.775 88.25,57.125 cw(c89.21,57.125) 89.21,58.085 ccw(c89.21,59.045) 90.17,59.045 90.17,94.69 ccw(c88.97,94.69) 88.97,95.89 57.59,95.89 ccw(c57.59,94.69) 56.39,94.69 cw(c55.19,94.69) 55.19,93.49 37.27,93.49 cw(c37.27,94.69) 36.07,94.69 ccw(c34.87,94.69) 34.87,95.89 1.2,95.89 ccw(c1.2,94.69) 0,94.69 0,59.04 ccw(c0.96,59.04) 0.96,58.08 cw(c0.96,57.12) 1.92,57.12 1.92,38.77 cw(c0.96,38.77) 0.96,37.81 ccw(c0.96,36.85) 0,36.85 0,1.2
Dimensions:
  circle w0.254: c5.08,5.08 r3.175
  circle w0.254: c5.08,5.08 r1.59
  circle w0.254: c85.09,5.08 r1.59
  circle w0.254: c85.09,5.08 r3.175
  circle w0.254: c82.55,90.81 r1.59
  circle w0.254: c82.55,90.81 r3.175
  circle w0.254: c8.89,90.81 r1.59
  circle w0.254: c8.89,90.81 r3.175
  lines w0.254: -25.385,47.945 132.93,47.945 ; 0,5.08 90.17,5.08 ; 0,37.81 5.04,37.81 ; 0,83.19 90.17,83.19 ; 0,88.27 90.17,88.27 ; 0,90.81 90.17,90.81 ; 5.08,0 5.08,7.89 ; 8.89,85.71 8.89,95.89 ; 45.085,-27.635 45.085,121.07 ; 82.55,85.45 82.55,95.89 ; 85.09,0 85.09,9.12

## Dimensions
90.17,0 to 90.17,95.89 on Dimensions
0,0 to 0,88.27 on Dimensions
0,0 to 0,83.19 on Dimensions
0,0 to 90.17,0 on Dimensions
0,95.89 to 13.97,87.42 on Dimensions
0,0 to 5.08,0 on Dimensions
0,90.81 to 8.89,85.71 on Dimensions
0,1.2 to 36.07,3.02 on Dimensions
0,1.2 to 1.92,1.18 on Dimensions
0,94.69 to 36.07,94.69 on Dimensions
0,94.69 to 56.39,93.74 on Dimensions